# Allegro board BeagleBone_AI-64_Rev_B1_PCB_220602.brd (continued)
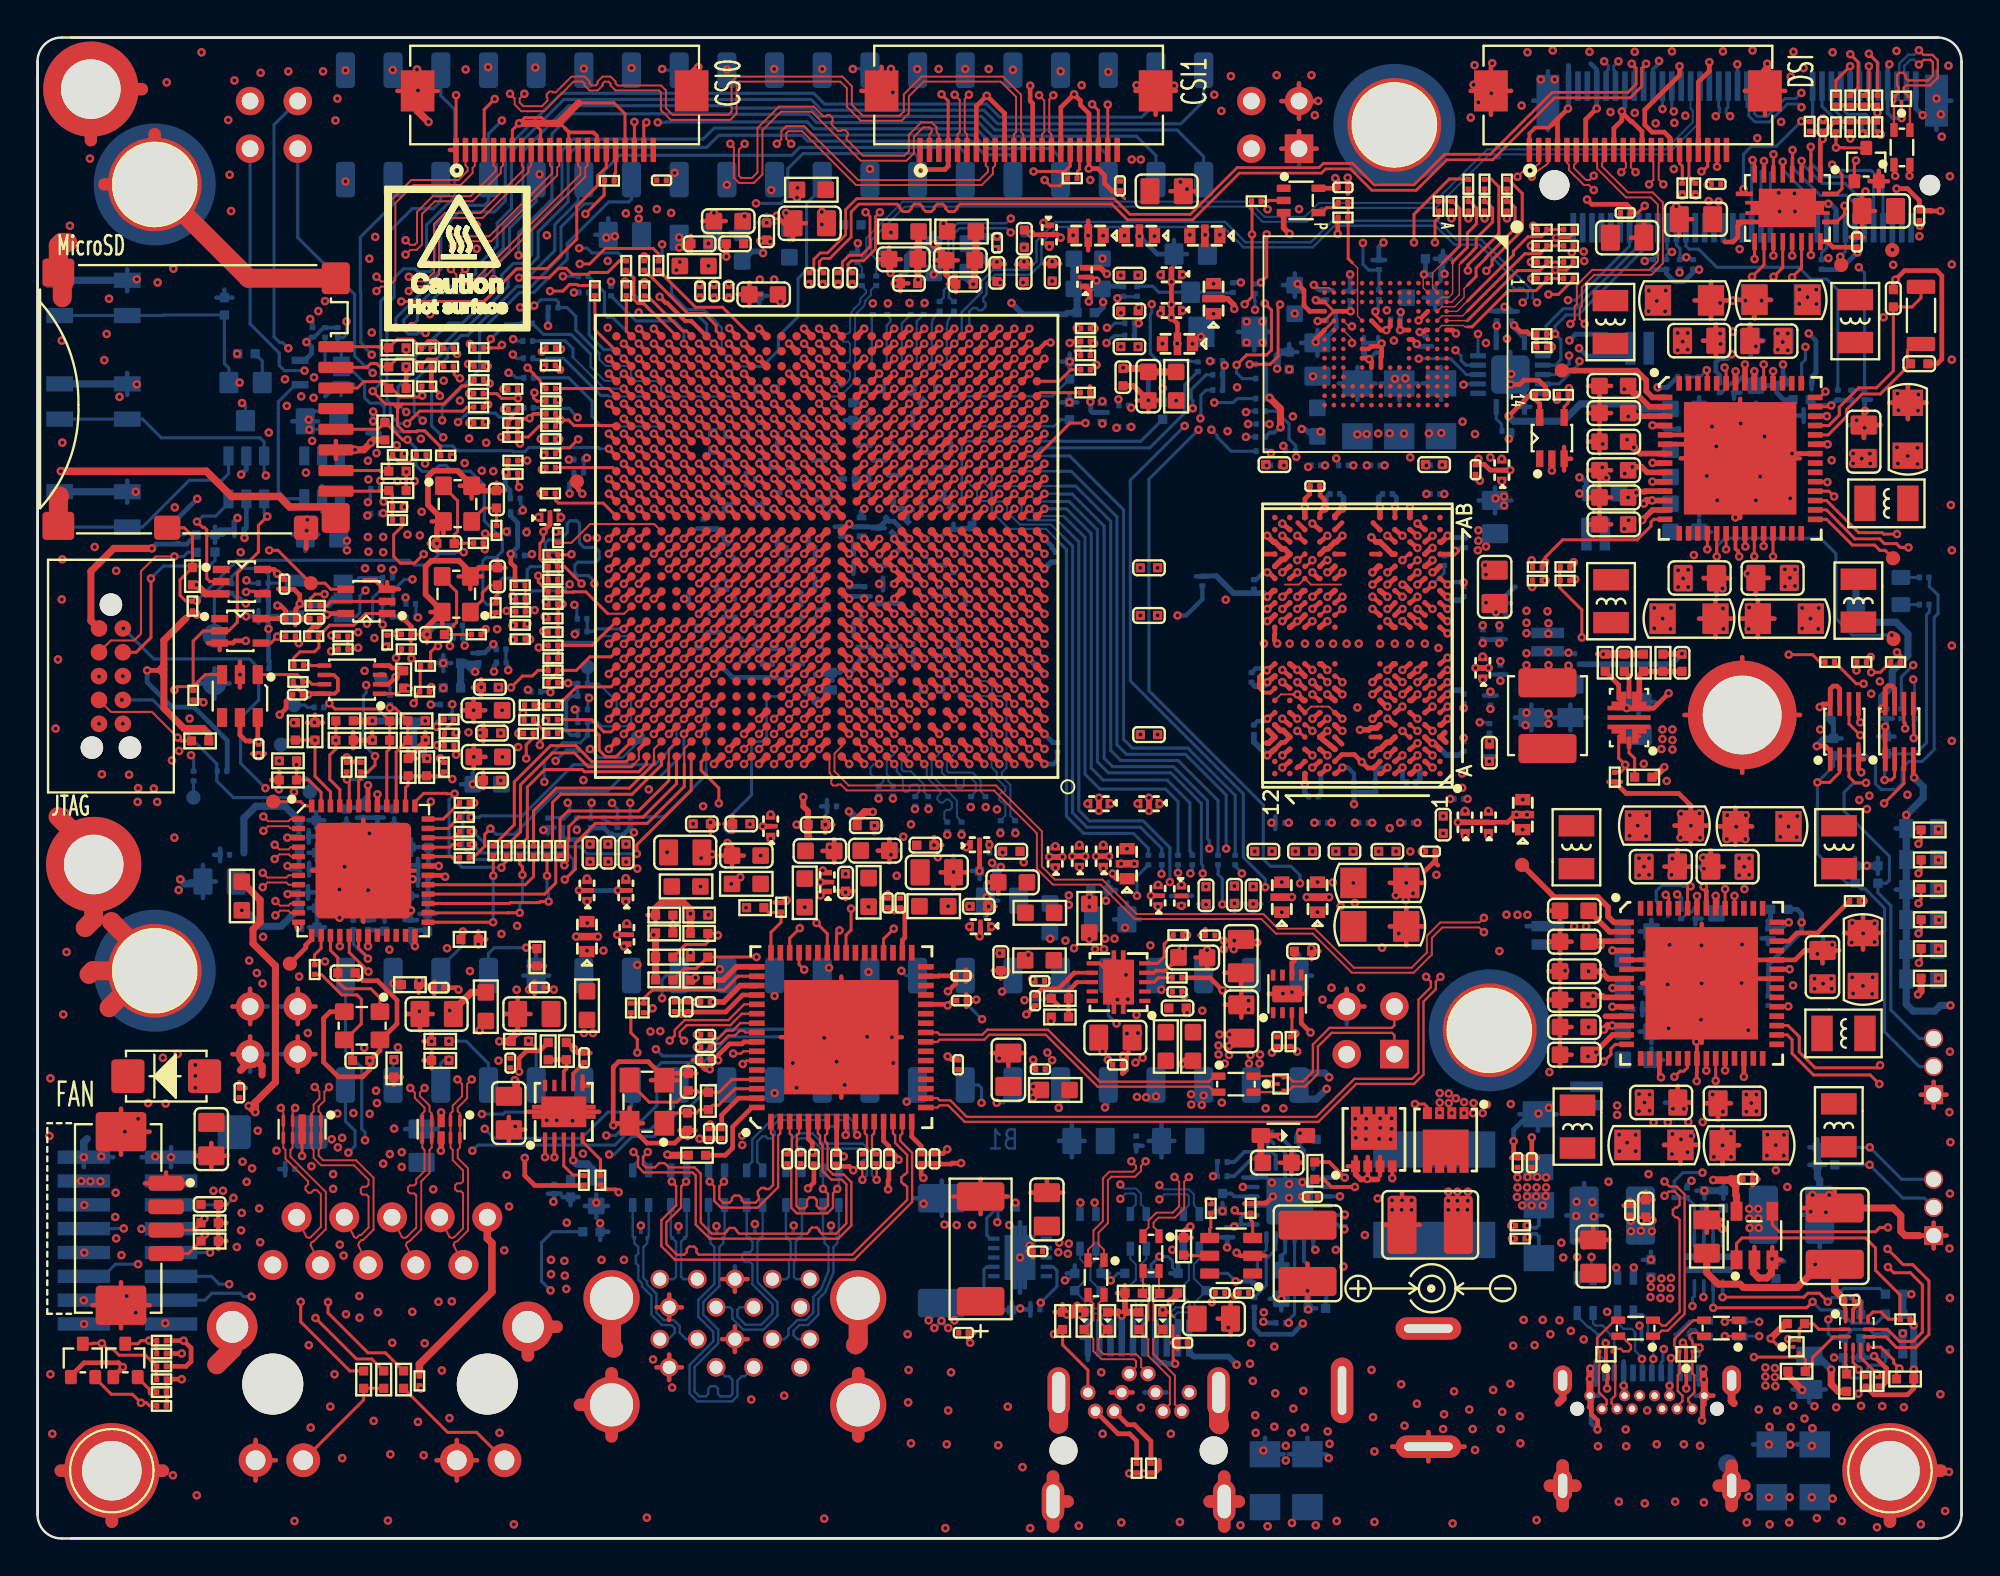
[diagram p0: board, top side]
## Routing (per net, layer and track width the routed paths; a pad name or vN(x,y) marks a point on that pad's centre or on a via; arc(x,y) is an arc through that point) (continued)
  BOTTOM w0.165: 26.13,45.13 v1(26.13,45.24)
H_MCU_PORZ: length 187.2
  TOP w0.165: v1(25.3,48.67) 25.3,48.66 25.33,48.7 25.44,48.7 ; 80.18,51.06 v1(80.34,51.06) ; U12.4 11.67,50.35 11.53,50.49 11.15,50.49 v1(11.11,50.45) ; U30.25 v1(92.45,52.34)
  L5-SIGNAL w0.102: v1(25.3,48.67) 25,48.96 24.94,48.96 24.62,49.28 24.62,49.3 24.34,49.58 16.62,49.58 16.33,49.88 14.83,49.88 14.26,50.45 v1(11.11,50.45) ; v1(92.45,52.34) 92.45,49.33 95.74,46.04 95.76,46.04 95.88,45.91 95.88,36.9 95.21,36.22 95.21,32.59 94.08,31.46 93.57,31.46 92.66,30.55 92.66,23.33 90.88,21.56 90.88,19.55 88.66,17.33 84.64,17.33 83.53,16.22 80.8,16.22 80.54,15.97 80.54,15.46 80.01,14.93 79.5,14.93 78.94,14.37 71.12,14.37 70.1,15.38 v1(69.16,15.38)
  L10-SIGNAL w0.102: v1(80.34,51.06) 80.71,50.69 85.19,50.69 86.56,52.06 88.07,52.06 88.16,51.97 92.09,51.97 v1(92.45,52.34) ; v1(11.11,50.45) 10.6,50.45 9.85,49.7 9.85,33.93 11.25,32.53 11.25,31.94 12.47,30.73 12.47,25.04 12.01,24.58 12.01,22.01 v1(11.73,21.73)
  L12-SIGNAL w0.102: v1(11.73,21.73) 12.11,22.11 17.83,22.11 19.07,23.36 24.64,23.36 24.84,23.16 35.63,23.16 36.58,22.21 36.58,21.31 37.55,20.34 39.88,20.34 40.75,21.21 42.33,21.21 42.52,21.02 45.97,21.02 46.73,20.26 46.73,17.7 48.18,16.25 55.57,16.25 55.95,15.87 60.83,15.87 61.87,14.82 68.6,14.82 v1(69.16,15.38)
H_PMIC_WAKE: length 15.3
  TOP w0.165: U30.47 91.95,62.57 v1(91.96,62.58) ; R337.2 81.55,60.96 81.56,60.95 ; U27.4 81.32,60.31 81.53,60.52 81.53,60.56 81.56,60.59 81.56,60.95 ; 81.56,60.95 81.56,61.29 v1(81.58,61.31)
  L10-SIGNAL w0.102: v1(81.58,61.31) 83.01,61.31 83.56,60.75 88.87,60.75 89.38,61.26 89.38,62.68 89.56,62.86 89.96,62.86 90.09,62.73 90.47,62.73 90.73,62.98 91.55,62.98 v1(91.96,62.58)
H_SOC_PORZ: length 110.4
  TOP w0.165: v1(88.92,62.27) 88.92,62.17 88.95,62.14 U30.53 ; 25.44,47.93 25.33,47.93 v1(25.3,47.9)
  L3-SIGNAL w0.102: v1(88.92,62.27) 88.92,61.54 90.35,60.11 90.35,54.84 90.08,54.58 90.08,53.5 90.35,53.23 90.35,52.56 88.87,51.08 88.87,47.16 87.63,45.91 87.63,44.75 86,43.12 86,41.16 v1(86.79,40.38)
  L5-SIGNAL w0.102: v1(74.52,35.37) 74.29,35.6 64.59,35.6 64.31,35.88 59.69,35.88 58.43,34.62 58.42,34.62 57.47,33.67 57.13,33.67 56.75,33.29 53.69,33.29 52.37,34.61 48.05,34.61 46.45,33.01 45.13,33.01 44.93,33.21 43.5,33.21 43.49,33.2 40.63,33.2 40.23,32.81 34.59,32.81 33.91,33.49 28.29,33.49 27.46,32.66 v1(25.55,32.66)
  L8-PWR/GND w0.127: v1(25.55,32.66) 25.13,33.08 25.13,35.54 25.39,35.8 25.39,39.24 25.17,39.46 25.17,43.91 25.65,44.39 25.84,44.39 26.52,45.07 26.52,45.89 25.7,46.7 25.7,47.49 v1(25.3,47.9)
  L10-SIGNAL w0.102: v1(74.52,35.37) 77.82,35.37 82.83,40.38 v1(86.79,40.38)
  BOTTOM w0.165: v1(88.92,62.27) 88.62,61.97 88.42,61.97 88.36,61.91 R20.2
HB_LM5141: length 1.8
  BOTTOM w0.203: C92.1 67.19,20.97 67.46,20.69 U3.11
  BOTTOM w0.381: C92.1 67.19,21.54 v1(67.26,21.61)
HO_LM5141: length 2.9
  TOP w0.203: R318.1 68.81,20.06 v1(69.64,19.24)
  BOTTOM w0.203: U3.13 v1(69.64,19.24)
HOL_LM5141: length 13.3
  TOP w0.165: Q3.4 74.04,22.99 73.88,23.16 v1(73.38,23.16)
  TOP w0.203: R318.2 68.52,19.14 68.93,18.74 69.73,18.74 v1(70.18,18.74)
  L10-SIGNAL w0.102: v1(73.38,23.16) 73.1,23.43 70.33,23.43 69.52,22.62 69.52,19.96 70.18,19.3 v1(70.18,18.74)
  BOTTOM w0.203: v1(70.18,18.74) 69.73,18.74 69.73,18.74 U3.14
ILIM_V3V3_DP0: length 1.4
  TOP w0.165: U22.5 61.55,15.07 61.52,15.1 R312.1
ILM: length 1.8
  BOTTOM w0.165: U1.10 88.77,17.14 88.8,17.17 R16.1
J27_MCU_BOOTMODE07: length 6.4
  TOP w0.229: v1(32.03,47.68) 32.43,48.08 U19.J27
  BOTTOM w0.114: v1(32.03,47.68) 31.84,47.88 31.78,47.88 31.57,48.09 30.02,48.09
  BOTTOM w0.165: 30.02,48.09 29.7,47.77 27.96,47.77 27.73,48 27.73,48.35 ; R125.1 27.71,49.04 ; 27.71,49.04 27.73,49.03 27.73,48.35 ; 27.71,49.04 27.71,49.06 ; 27.73,48.35 27.72,48.35 R124.2
J28_WKUP_UART0_TXD: length 133.7
  TOP w0.165: U33.5 97,43.6 v1(97.1,43.5)
  TOP w0.229: U19.J28 31.63,48.08 v1(31.23,47.68)
  L5-SIGNAL w0.102: v1(97.1,43.5) 97.48,43.12 97.48,42.08 98.77,40.8 98.77,39.02 98.47,38.73 98.47,28.9 93.83,24.25 93.83,17.35 92.12,15.64 88.9,15.64 87.83,14.57 87.83,12.67 87.27,12.11 85.27,12.11 84.68,12.69 80.24,12.69 79.2,11.65 v1(79.17,11.65)
  L10-SIGNAL w0.102: v1(31.23,47.68) 29.97,46.42 29.97,34.54 30.52,33.99 30.52,27.12 29.06,25.66 v1(29.06,20.51)
  L12-SIGNAL w0.102: v1(79.17,11.65) 78.97,11.45 78.1,11.45 76.12,13.43 68.5,13.43 67.89,12.82 67.05,12.82 66.67,13.2 65.5,13.2 64.59,12.28 63.5,12.28 62.58,13.2 58.14,13.2 57.78,12.84 54.25,12.84 53.61,12.2 53.29,12.2 52.67,12.82 51.52,12.82 49.66,14.67 47.22,14.67 44.26,17.63 43.39,17.63 42.9,18.13 40.49,18.13 39.93,18.69 36.75,18.69 36.72,18.65 33.1,18.65 31.72,20.03 29.54,20.03 v1(29.06,20.51)
J29_WKUP_UART0_RXD: length 139.5
  TOP w0.165: U33.6 96.5,43.42 v1(97.1,42.82)
  TOP w0.229: v1(30.43,47.68) 30.44,47.68 U19.J29
  L5-SIGNAL w0.102: v1(97.1,42.82) 97.1,41.52 98.02,40.61 98.02,39.36 97.99,39.34 97.99,39.03 98.25,38.78 98.25,29 93.6,24.35 93.6,17.44 92.02,15.87 88.74,15.87 87.58,14.7 87.58,12.74 87.17,12.34 85.47,12.34 84.88,12.92 79.53,12.92 78.61,12.01 v1(78.61,10.28)
  L10-SIGNAL w0.102: v1(28.19,16.83) 28.19,17.63 27.96,17.86 27.96,21.4 28.06,21.51 28.06,34.43 28.9,35.27 28.9,37.01 29.15,37.26 29.15,39.37 29.54,39.76 29.54,41.47 29.08,41.93 29.08,42.23 29.77,42.92 29.77,47.01 v1(30.43,47.68)
  L12-SIGNAL w0.102: v1(78.61,10.28) 77.91,10.28 75.77,12.41 70.15,12.41 67.28,9.54 65.28,9.54 64.79,10.02 64.53,10.02 64.42,10.13 60.96,10.13 60.94,10.14 56.45,10.14 56.23,9.92 51.99,9.92 50.37,11.55 50.37,11.99 49.08,13.28 46.67,13.28 43.86,16.08 39.6,16.08 38.5,17.19 28.55,17.19 v1(28.19,16.83)
K24_AIN4/AC28_GPIO0_50: length 50.1
  L5-SIGNAL w0.102: v1(19.2,26.18) 19.51,25.87 21.75,25.87 21.77,25.89 25.51,25.89 v1(26.16,26.53)
  L8-PWR/GND w0.127: v1(19.6,50.15) 21.71,52.26 21.71,58.24 22.07,58.59 22.07,59.17 v1(22.4,59.5)
  L10-SIGNAL w0.102: v1(19.6,50.15) 19.05,49.6 19.05,48.95 19.58,48.42 19.58,47.15 19.52,47.08 19.52,45.6 19.38,45.46 19.38,45.15 19.52,45.01 19.52,43.59 19.3,43.37 19.3,31.11 18.46,30.27 18.46,29.33 19.07,28.72 19.07,26.31 v1(19.2,26.18)
  BOTTOM w0.165: v1(19.6,50.15) 19.6,49.81 R145.2 ; v1(22.4,59.5) 22.76,59.87 22.81,59.87 22.93,59.99 24.38,59.99 24.6,59.77 25.03,59.77 25.53,60.27 R129.2 ; P9.33 26.56,26.13 v1(26.16,26.53)
K25_AIN0/AJ28_GPIO0_54: length 65.8
  TOP w0.165: 18.63,47.61 v1(18.52,47.51) ; R281.2 31.37,66.92 v1(31.29,67)
  L10-SIGNAL w0.102: v1(19,25.47) 18.24,26.24 18.24,31.97 18.84,32.58 18.84,43.48 18.24,44.09 18.24,47.22 v1(18.52,47.51)
  L12-SIGNAL w0.102: v1(31.29,67) 31.01,66.72 30.8,66.72 30.71,66.63 28.88,66.63 28.64,66.87 26.17,66.87 25.79,66.49 23.66,66.49 23.48,66.31 20.88,66.31 20.12,65.55 19.4,65.55 19.12,65.27 15.57,65.27 14.83,64.53 13.56,64.53 12.49,63.47 12.49,59.91 12.88,59.53 12.88,52.09 14.53,50.44 14.53,48 14.63,47.9 15.38,47.9 15.5,47.77 15.81,47.77 15.94,47.9 17.27,47.9 17.66,47.51 v1(18.52,47.51)
  BOTTOM w0.165: v1(19,25.47) 19,25.47 18.94,25.41 P9.39
K26_AIN1/AA26_GPIO0_81: length 41
  TOP w0.165: v1(18.97,29.58) 19.04,29.52 D30.2 ; 27.06,57.84 v1(26.95,57.73)
  L5-SIGNAL w0.102: v1(26.95,57.73) 26.33,57.73 26.23,57.82 23.88,57.82 23.71,57.99 20.66,57.99 19.89,57.22 19.43,57.22 19.17,56.96 v1(19.17,56.36)
  L10-SIGNAL w0.102: v1(19.17,56.36) 20.08,55.46 20.08,54.49 20.88,53.69 20.88,52.7 20.95,52.63 20.95,52.1 v1(19.97,51.12) 19.97,50.32 20.67,49.62 20.67,48.91 20.47,48.71 20.47,48.43 20.37,48.33 20.37,48.02 20.47,47.92 20.47,44.21 19.53,43.27 19.53,31.16 19.61,31.09 19.61,30.22 v1(18.97,29.58)
  BOTTOM w0.165: R148.2 18.92,49.81 18.92,50.5 19.55,51.12 v1(19.97,51.12) ; P9.40 18.94,29.61 v1(18.97,29.58)
K27_AIN5/AH29_GPIO0_56: length 71.2
  TOP w0.165: v1(27.3,66.49) 27.99,66.49 28.34,66.84 28.75,66.84 28.81,66.78 29.69,66.78 R278.2 ; R177.2 15.71,48.09 v1(15.66,48.14) ; D35.2 26.55,31.49 v1(26.03,31.49)
  L5-SIGNAL w0.102: v1(15.31,30.75) 15.31,30.34 16.03,29.63 17.7,29.63 18.08,30.01 18.08,31.69 18.82,32.43 22.02,32.43 23.15,31.3 23.63,31.3 23.82,31.49 v1(26.03,31.49)
  L10-SIGNAL w0.102: v1(15.31,30.75) 15.31,30.83 15.16,30.98 15.16,43.98 14.81,44.34 14.81,46.07 15.26,46.52 15.26,47.74 15.38,47.85 15.38,47.86 v1(15.66,48.14)
  L12-SIGNAL w0.102: v1(15.66,48.14) 14.76,49.04 14.76,50.53 13.1,52.18 13.1,59.62 12.72,60 12.72,63.37 13.66,64.3 16.46,64.3 17.19,65.04 19.23,65.04 19.41,65.22 20.22,65.22 20.78,65.78 23.27,65.78 23.73,66.23 25.85,66.23 26.11,66.49 v1(27.3,66.49)
  BOTTOM w0.165: v1(26.03,31.49) 24.33,31.49 24.02,31.18 P9.36
K28_AIN2/AG28_GPIO0_57: length 50
  L5-SIGNAL w0.102: v1(21.92,25.52) 24.51,25.52 v1(24.56,25.47)
  L8-PWR/GND w0.127: v1(28.6,49.76) 28.23,49.39 28.23,46.56 28.66,46.14 28.66,44.83 28.06,44.24 28.06,43.96 27.15,43.05 27.15,42.13 27.13,42.1 27.13,41.39 26.49,40.76 26.49,32.68 24.99,31.18 24.99,25.9 v1(24.56,25.47)
  L10-SIGNAL w0.102: v1(28.57,66.41) 29.26,65.73 29.26,58.41 28.83,57.98 28.83,56.96 29.38,56.41 29.38,54.45 27.96,53.03 27.96,50.4 v1(28.6,49.76)
  BOTTOM w0.165: v1(28.6,49.76) 28.6,49.8 28.73,49.67 28.73,49.02 R117.2 ; v1(21.92,25.52) 21.68,25.52 21.48,25.32 P9.37 ; R108.2 v1(28.57,66.41)
K29_AIN6/AH27_GPIO0_55: length 92.7
  TOP w0.165: R265.2 26.88,47.6 26.77,47.49 v1(26.7,47.49)
  L3-SIGNAL w0.102: v1(17.45,51.71) 17.45,51.31 17.1,50.96 17.1,49.86 17.42,49.55 21.73,49.55 23.29,47.99 24.08,47.99 24.13,48.04 24.55,48.04 25.09,47.49 v1(26.7,47.49)
  L5-SIGNAL w0.102: v1(17.45,51.71) 16.9,52.26 11.12,52.26 v1(10.82,52.57) ; v1(21.92,26.51) 21.51,26.51 20.7,27.32 12.95,27.32 12.42,27.86 12.42,29.15 v1(11.99,29.58)
  L10-SIGNAL w0.102: v1(11.99,29.58) 11.55,29.58 10.77,30.37 10.77,32.35 9.4,33.72 9.4,50.28 9.52,50.41 9.52,50.44 9.55,50.44 10.82,51.71 v1(10.82,52.57) 10.23,53.15 10.23,55.36 11.45,56.58 11.45,63.44 13.43,65.42 v1(14.96,65.42)
  L12-SIGNAL w0.102: v1(14.96,65.42) 15.35,65.42 15.45,65.52 18.11,65.52 18.84,66.26 18.84,67.03 19.47,67.66 20.1,67.66 20.34,67.42 20.34,67.41 21.21,66.54 23.38,66.54 23.56,66.72 25.69,66.72 26.25,67.28 v1(27.99,67.28)
  BOTTOM w0.165: P9.35 24.02,25.32 22.83,26.51 v1(21.92,26.51) ; R109.2 v1(27.99,67.28)
L28_AIN3/AG27_GPIO0_58: length 40.3
  TOP w0.165: D33.2 22.55,32.25 v1(22.65,32.35) ; v1(26.87,63.26) 27.06,63.45 R257.2 ; v1(26.68,51.31) 26.68,50.98 27.18,50.48 27.18,50.46 R266.2
  L8-PWR/GND w0.127: v1(26.68,51.31) 25.36,51.31 24.6,50.55 24.6,48.91 24.89,48.62 24.89,47.02 25.61,46.29 25.61,45.19 25.09,44.67 24.7,44.67 24.29,44.25 24.29,39.66 24.42,39.52 24.42,39.2 23.66,38.44 23.66,36.76 23.01,36.11 23.01,32.71 v1(22.65,32.35)
  L10-SIGNAL w0.102: v1(26.87,63.26) 26.57,62.96 26.57,62.09 26.85,61.81 26.85,59.08 27.18,58.75 27.18,58.02 27.32,57.88 27.32,57.57 27.18,57.43 27.18,57.18 27.24,57.12 27.24,56.81 27.18,56.75 27.18,54.22 27,54.04 26.64,54.04 26.49,53.89 26.49,52.84 26.71,52.62 26.71,52.32 26.68,52.29 v1(26.68,51.31)
  BOTTOM w0.165: P9.38 21.48,30.44 22.65,31.62 v1(22.65,32.35)
LEOA_GPIO9: length 15.7
  TOP w0.165: U30.19 v1(89.45,52.34) ; v1(98.78,48.15) 98.87,48.06 TP13.1
  BOTTOM w0.165: v1(89.45,52.34) 89.45,52.87 89.9,53.32 94.98,53.32 95.81,52.49 95.81,49.04 96.7,48.15 v1(98.78,48.15)
LEOA_OSC32KCAP: length 1.4
  TOP w0.165: U30.40 v1(95.32,59.82)
  BOTTOM w0.165: C7.1 94.62,59.85
  BOTTOM w0.254: v1(95.32,59.82) 95.3,59.85 94.62,59.85
LEOA_OSC32KIN: length 8.5
  TOP w0.165: U30.38 95.39,58.82 96.37,59.8 96.37,60.17 97.2,61 98.17,61 C529.2 99.62,62.78 99.62,63.31 99.97,63.67 X5.2
LEOA_OSC32KOUT: length 11.3
  TOP w0.165: U30.39 95.43,59.32 95.98,59.88 95.98,60.3 97.02,61.33 97.97,61.33 98.86,62.23 C527.2 99.85,65.64 100.34,66.12 X5.1
LEOA_SCLK: length 34.7
  TOP w0.165: U29.23 v1(89.4,24.4) ; U30.23 v1(91.45,52.35)
  L5-SIGNAL w0.102: v1(89.4,24.4) 89.4,26.73 92.2,29.53 92.2,30.74 93.38,31.92 93.75,31.92 94.6,32.77 94.6,36.33 95.43,37.15 95.43,45.71 91.95,49.19 91.95,50.28 91.92,50.31 91.92,51.88 v1(91.45,52.35)
LEOA_SDATA: length 33.5
  TOP w0.165: U30.24 v1(91.95,52.89) ; U29.24 v1(89.9,24.95)
  L5-SIGNAL w0.102: v1(91.95,52.89) 91.95,52.31 92.17,52.09 92.17,49.29 95.65,45.81 95.65,37 94.91,36.25 94.91,32.67 93.93,31.69 93.48,31.69 92.44,30.65 92.43,30.65 92.43,29.43 89.9,26.9 v1(89.9,24.95)
LEOA_WDOG_DISABLE: length 3.4
  TOP w0.165: v1(95.55,60.39) 95.48,60.32 U30.41
  BOTTOM w0.165: R3.2 96.62,60.67 ; 95.83,60.67 95.86,60.7 R4.2
  BOTTOM w0.254: R6.2 94.75,60.39 v1(95.55,60.39) 95.83,60.67 96.62,60.67
LEOB_ENABLE: length 31.1
  TOP w0.165: R338.2 81.1,51.78 81.1,51.07 ; v1(82.27,48.02) 82.27,49.5 81.1,50.67 81.1,51.07 ; 81.1,51.07 81.1,51.06 R339.2 ; U29.20 87.9,25.11 87.7,24.91 87.5,24.91 v1(87.2,24.6)
  L5-SIGNAL w0.102: v1(82.27,48.02) 82.27,35.25 85.44,32.07 85.44,26.36 v1(87.2,24.6)
LM5141_PG: length 99.9
  TOP w0.165: R176.1 14.53,50.09 14.77,50.33 v1(15.29,50.33)
  L5-SIGNAL w0.102: v1(66.65,11.49) 63.78,14.37 51.88,14.37 50.21,16.04 26.77,16.04 23.95,13.22 17.45,13.22 v1(17.14,12.92)
  L10-SIGNAL w0.102: v1(17.14,12.92) 17.75,12.92 18.58,13.74 18.58,15.58 17.79,16.36 17.79,17.81 17.96,17.97 17.96,21.48 17.23,22.2 17.23,24.03 15.71,25.55 15.71,29.74 14.91,30.55 14.91,35.88 14.29,36.5 14.29,40.89 14.39,40.99 14.39,41.49 14.37,41.5 14.37,43.91 13.84,44.44 13.84,45.48 15.03,46.68 15.03,49.69 15.29,49.94 v1(15.29,50.33)
  BOTTOM w0.165: v1(66.65,11.49) 66.51,11.49 66.51,11.51 66.96,11.96 U3.21
LM5141_PG_R: length 3.7
  TOP w0.165: R176.2 15.41,49.72 15.64,49.95 U16.2
LO_LM5141: length 3.4
  BOTTOM w0.165: R60.1 63.39,20.06
  BOTTOM w0.203: U3.8 65.96,20.41 65.76,20.61 64.3,20.61 63.75,20.06 63.39,20.06
LOL_LM5141: length 2.7
  BOTTOM w0.165: R61.1 63.39,19.31
  BOTTOM w0.203: U3.7 65.46,20.1 65.32,20.24 64.68,20.24 63.75,19.31 63.39,19.31
LPDDR4_CA0: length 34.1
  TOP w0.251: U25.R2 73.92,49.87 v1(74.31,49.55) ; v1(74.31,45.64) 74.31,45.64 73.92,45.32 U25.H2 ; v1(51.24,46.08) 51.24,46.08 U19.G4
  L3-SIGNAL w0.076: v1(74.31,45.64) 73.91,46.05 73.91,46.29 74.21,46.59 74.21,47.39 v1(73.91,47.69) 74.43,48.22 74.43,48.48 73.92,48.99 73.92,49.19 74.02,49.29 74.06,49.29 v1(74.31,49.54)
  L12-SIGNAL w0.173: v1(51.24,46.08) 51.64,45.68 54.01,45.68 54.49,45.21 54.49,44.52 55.55,43.46 64.04,43.46 64.75,44.17 69.7,44.17 70.08,43.79 70.49,43.79 70.84,44.14 70.84,44.52 70.59,44.78 70.59,45.77 71.71,46.89 73.1,46.89 v1(73.91,47.69)
LPDDR4_CA1: length 34
  TOP w0.251: U19.H3 v1(52.04,46.88) ; U25.J2 v1(73.51,45.64) ; U25.P2 v1(73.51,49.54)
  L3-SIGNAL w0.076: v1(73.51,49.54) 73.15,49.19 73.15,48.84 72.63,48.32 72.63,48.09 72.78,47.95 72.87,47.95 v1(73.12,47.69) 72.81,47.38 72.81,46.78 73.12,46.47 73.12,46.04 v1(73.51,45.64)
  L12-SIGNAL w0.173: v1(73.12,47.69) 73.47,48.05 73.47,48.34 73.38,48.44 71.38,48.44 71.01,48.06 71.01,46.9 70.06,45.95 70.06,44.85 69.78,44.58 65.34,44.58 65.32,44.6 64.52,44.6 63.88,43.97 55.74,43.97 55.07,44.64 55.07,46.07 54.82,46.33 53.96,46.33 53.81,46.48 52.44,46.48 v1(52.04,46.88)
LPDDR4_CA2: length 34.1
  TOP w0.251: U25.H9 68.24,45.32 v1(67.91,45.64) ; v1(67.91,49.54) 67.92,49.56 68.31,49.88 U25.R9 ; v1(50.44,48.48) 50.44,48.48 U19.K5
  L3-SIGNAL w0.076: v1(67.91,45.64) 68.31,46.04 68.31,46.57 68.61,46.88 68.61,47.39 v1(68.31,47.69) 68.77,48.16 68.77,48.4 68.66,48.51 68.53,48.51 68.33,48.71 68.33,49.13 v1(67.91,49.54)
  L12-SIGNAL w0.173: v1(50.44,48.48) 50.84,48.88 50.84,49.5 51.02,49.68 52.21,49.68 52.44,49.92 52.44,50.25 52.67,50.48 54.04,50.48 54.76,51.2 59.78,51.2 60.13,51.55 60.13,51.83 60.77,52.47 63.15,52.47 64.57,51.05 65.49,51.05 65.52,51.03 69.93,51.03 70.4,50.55 70.4,48.65 69.85,48.11 68.72,48.11 v1(68.31,47.69)
LPDDR4_CA3: length 34.1
  TOP w0.251: U19.J4 50.84,48.08 51.24,47.68 v1(51.24,47.68) ; U25.H10 67.11,45.64 v1(67.11,45.64) ; U25.R10 v1(67.11,49.54)
  L3-SIGNAL w0.076: v1(67.11,49.54) 67.56,49.1 67.56,48.75 68.01,48.3 68.01,48.09 67.86,47.95 67.77,47.95 v1(67.52,47.69) 67.83,47.39 67.83,46.82 67.52,46.51 67.52,46.05 v1(67.11,45.64)
  L12-SIGNAL w0.173: v1(67.52,47.69) 67.52,48.19 67.82,48.48 69.62,48.48 70.05,48.91 70.05,50.3 69.74,50.61 65.34,50.61 65,50.26 63.78,50.26 63.32,50.72 63.32,51.51 63.07,51.76 61.13,51.76 60.87,51.51 60.87,50.83 60.71,50.67 55.09,50.67 54.09,49.68 53.81,49.68 53.81,49.68 53.42,49.68 53.24,49.5 53.24,49.12 53.01,48.88 51.86,48.88 51.64,48.66 51.64,48.08 v1(51.24,47.68)
LPDDR4_CA4: length 34.1
  TOP w0.251: U19.K2 v1(52.84,48.48) ; U25.H11 v1(66.31,45.64) ; U25.R11 v1(66.31,49.54)
  L3-SIGNAL w0.076: v1(66.31,49.54) 66.73,49.13 66.73,48.76 67.16,48.32 67.16,48.01 67.1,47.95 66.96,47.95 v1(66.71,47.69) 67.02,47.38 67.02,46.77 66.71,46.45 66.71,46.04 v1(66.31,45.64)
  L12-SIGNAL w0.173: v1(52.84,48.48) 53.06,48.48 53.45,48.87 53.46,48.87 53.47,48.88 54.8,48.88 54.99,49.07 54.99,49.71 55.12,49.83 55.5,49.83 55.66,49.67 55.66,48.8 55.82,48.64 56.05,48.64 56.21,48.8 56.21,49.67 56.37,49.83 56.59,49.83 56.75,49.67 56.75,48.8 56.91,48.64 57.14,48.64 57.3,48.8 57.3,50 57.46,50.16 57.94,50.16 58.09,50.01 58.09,48.79 58.24,48.64 59.01,48.64 59.21,48.84 59.21,49.93 59.41,50.14 60,50.14 60.2,49.93 60.2,48.89 60.45,48.64 61.34,48.64 61.55,48.84 61.55,50.14 61.75,50.34 62.44,50.34 62.64,50.14 62.64,49.76 62.87,49.53 63.79,49.53 63.95,49.68 64.57,49.68 64.9,49.35 64.9,48.46 65.1,48.26 66.42,48.26 66.64,48.48 66.97,48.48 67.1,48.35 67.1,48.09 v1(66.71,47.69)
LPDDR4_CA5: length 34.1
  TOP w0.251: U19.H5 v1(50.44,46.88) ; U25.P11 v1(66.31,48.89) ; U25.J11 v1(66.31,46.29)
  L3-SIGNAL w0.076: v1(66.31,48.89) 66.56,48.64 66.56,48.31 66.37,48.12 66.03,48.12 65.91,48.23 65.51,48.23 65.34,48.06 v1(65.34,47.7) 65.34,47.35 65.49,47.19 66.35,47.19 66.5,47.04 66.5,46.84 66.31,46.65 v1(66.31,46.29)
  L12-SIGNAL w0.173: v1(50.44,46.88) 50.84,47.28 52.24,47.28 52.44,47.48 52.44,47.89 52.63,48.08 53.81,48.08 53.82,48.09 56.3,48.09 56.52,47.88 56.52,47.27 56.72,47.06 57.03,47.06 57.23,47.27 57.23,47.85 57.43,48.05 57.81,48.05 58.01,47.85 58.01,47.2 58.17,47.04 58.39,47.04 58.55,47.2 58.55,47.82 58.71,47.98 58.94,47.98 59.1,47.82 59.1,47.2 59.26,47.04 59.49,47.04 59.65,47.2 59.65,48.07 59.81,48.23 60.03,48.23 60.19,48.07 60.19,47.2 60.35,47.04 60.58,47.04 60.74,47.2 60.74,47.82 60.9,47.98 61.13,47.98 61.29,47.82 61.29,47.35 61.45,47.19 61.67,47.19 61.83,47.35 61.83,47.82 61.99,47.98 62.41,47.98 62.57,47.82 62.57,47.15 62.73,46.99 62.99,46.99 63.2,47.19 63.2,48.86 63.36,49.02 63.74,49.02 63.91,48.85 63.91,47.65 64.14,47.42 64.49,47.42 64.77,47.7 v1(65.34,47.7)
LPDDR4_CK_C: length 34.1
  TOP w0.165: U19.J1 53.37,47.95 53.37,47.95 v1(53.64,47.68) ; U25.J9 68.39,45.97 v1(68.71,45.64) ; U25.P9 v1(68.71,49.54)
  L3-SIGNAL w0.076: v1(68.71,45.64) 69.74,46.67 v1(69.74,47.69) 69.78,47.74 69.78,48.75 69.43,49.11 69.15,49.11 v1(68.71,49.54)
  L12-SIGNAL w0.163: v1(69.74,47.69) 69.81,47.69 69.99,47.51 69.99,47.2 69.81,47.01 64.95,47.01 64.77,46.84 63.99,46.84 63.27,46.12 63.27,45.36 63.11,45.2 62.6,45.2 62.41,45.38 62.41,46.02 62.03,46.4 61.48,46.4 61.14,46.06 61.14,45.06 60.96,44.88 60.59,44.88 60.43,45.04 60.43,45.99 60.06,46.35 59.42,46.35 59.06,45.99 59.06,44.98 58.8,44.73 58.38,44.73 58.14,44.97 58.14,46.04 57.8,46.38 57.11,46.38 56.77,46.04 56.77,45 56.61,44.83 56.25,44.83 56.06,45.02 56.06,46.43 55.3,47.19 53.97,47.19 53.86,47.29 53.77,47.29 53.61,47.46 53.61,47.65 v1(53.64,47.68)
LPDDR4_CK_T: length 34.1
  TOP w0.165: v1(69.51,45.64) 69.19,45.97 U25.J8 ; U25.P8 v1(69.51,49.54) ; U19.H1 53.64,46.88 v1(53.64,46.88)
  L3-SIGNAL w0.076: v1(69.51,49.54) 69.84,49.54 70.46,48.92 70.46,47.77 v1(70.39,47.69) 70.46,47.62 70.46,46.59 v1(69.51,45.64)
  L12-SIGNAL w0.163: v1(70.39,47.69) 70.3,47.61 70.3,47.07 69.93,46.71 65.08,46.71 64.9,46.53 64.11,46.53 63.58,46 63.58,45.23 63.24,44.89 62.47,44.89 62.11,45.26 62.11,45.9 61.9,46.1 61.61,46.1 61.44,45.94 61.44,44.93 61.09,44.57 60.46,44.57 60.12,44.92 60.12,45.86 59.94,46.05 59.55,46.05 59.36,45.86 59.36,44.85 58.93,44.42 58.26,44.42 57.84,44.84 57.84,45.91 57.68,46.07 57.24,46.07 57.08,45.91 57.08,44.87 56.74,44.53 56.12,44.53 55.76,44.9 55.76,46.3 55.18,46.88 v1(53.64,46.88)
LPDDR4_CKE0: length 34.1
  TOP w0.264: U19.G3 52.04,46.08 v1(52.04,46.08) ; U25.J4 v1(72.71,45.64) ; U25.P4 72.49,49.4 72.51,49.4 72.65,49.54 v1(72.71,49.54)
  L3-SIGNAL w0.076: v1(72.71,45.64) 72.31,46.05 72.31,46.59 72.01,46.88 72.01,47.4 v1(72.31,47.69) 72.06,47.95 71.94,47.95 71.84,48.05 71.84,48.32 72.32,48.8 72.32,49.15 v1(72.71,49.54)
  L10-SIGNAL w0.159: v1(72.31,47.69) 72.31,47.1 72.15,46.94 71.49,46.94 71.33,46.78 71.33,46.55 71.2,46.42 70.95,46.42 70.83,46.54 70.83,47.13 70.72,47.24 70.16,47.24 69.1,47.24 65.18,47.24 63.4,45.46 59.57,45.46 59.41,45.62 59.41,46.55 59.25,46.71 58.7,46.71 58.52,46.53 58.52,45.61 58.38,45.46 57.82,45.46 57.67,45.61 57.67,46.63 57.52,46.78 56.9,46.78 56.75,46.63 56.75,46.07 56.59,45.92 56.21,45.92 56.06,46.07 56.06,46.45 55.73,46.78 54.66,46.78 54.36,46.48 52.44,46.48 v1(52.04,46.08)
LPDDR4_CKE1: length 34.1
  TOP w0.264: U25.J5 71.44,45.97 v1(71.11,45.64) ; U25.P5 v1(71.11,49.54) ; U19.J3 52.04,47.68 v1(52.04,47.68)
  L3-SIGNAL w0.076: v1(71.11,49.54) 71.5,49.15 71.5,49.01 71.01,48.52 71.01,48.11 71.18,47.95 71.27,47.95 v1(71.52,47.69) 71.52,47.1 71.22,46.8 71.22,46.58 71.52,46.29 71.52,46.05 v1(71.11,45.64)
  L10-SIGNAL w0.159: v1(52.04,47.68) 52.44,47.28 59.78,47.28 59.95,47.12 59.95,46.28 60.17,46.05 63.24,46.05 63.4,46.21 63.4,46.48 63.22,46.66 60.81,46.66 60.66,46.81 60.66,47.12 60.81,47.27 63.99,47.27 64.85,48.13 70.67,48.13 71.11,47.69 v1(71.52,47.69)
LPDDR4_CSN0_0: length 28.1
  TOP w0.264: U19.J5 50.44,47.68 v1(50.44,47.68) ; U25.H4 v1(71.91,45.64)
  L10-SIGNAL w0.159: v1(71.91,45.64) 71.51,46.05 69.88,46.05 69.09,46.83 65.46,46.83 63.63,45.01 57.56,45.01 57.1,45.46 56.64,45.46 56.42,45.24 56.42,44.24 56.21,44.04 55.91,44.04 55.71,44.24 55.71,45.48 55.35,45.84 54.13,45.84 53.97,45.68 51.8,45.68 51.64,45.85 51.64,46.25 51.4,46.48 51.4,46.48 51.06,46.48 50.84,46.7 50.84,47.28 v1(50.44,47.68)
LPDDR4_CSN0_1: length 28.1
  TOP w0.264: U25.R4 71.99,49.54 v1(71.91,49.54) ; v1(52.04,48.48) 52.04,48.48 U19.K3
  L10-SIGNAL w0.159: v1(71.91,49.54) 71.51,49.95 71.51,51.01 71.51,51.01 71.51,51.78 71.25,52.04 70.79,52.04 69.8,51.05 68.24,51.05 68.24,51.05 64.29,51.05 63.93,50.7 63.93,49.76 63.58,49.4 63.02,49.4 62.66,49.76 62.66,50.62 62.46,50.82 60.33,50.82 60.15,50.65 60.15,48.82 59.92,48.59 58.17,48.59 57.87,48.88 52.44,48.88 v1(52.04,48.48)
LPDDR4_CSN1_0: length 28.1
  TOP w0.264: U25.H3 v1(72.71,44.99) ; U19.G5 v1(50.44,46.08)
  L10-SIGNAL w0.159: v1(50.44,46.08) 50.84,45.68 50.84,45.04 51,44.88 54.86,44.88 55.11,44.64 55.11,43.95 55.68,43.38 56.47,43.38 57.63,44.55 69.68,44.55 69.93,44.8 70.67,44.8 71.51,43.96 71.51,43.5 71.74,43.28 72.09,43.28 72.32,43.5 72.32,44.59 v1(72.71,44.99)
LPDDR4_CSN1_1: length 28.1
  TOP w0.264: U25.R3 v1(73.51,50.19) ; U19.J2 v1(52.84,47.68)
  L10-SIGNAL w0.159: v1(73.51,50.19) 73.1,50.61 73.1,50.67 73.11,50.68 73.11,51.15 72.95,51.31 72.47,51.31 72.32,51.15 72.32,48.74 72.31,48.73 72.31,48.73 72.08,48.5 72.07,48.5 72.05,48.47 71.21,48.47 70.06,49.62 70.06,50.38 69.85,50.59 65.08,50.59 64.44,49.96 64.44,49.18 63.34,48.08 53.24,48.08 v1(52.84,47.68)
LPDDR4_DM0_DBI0#: length 31.6
  TOP w0.264: U25.C3 73.51,42.39 v1(73.51,42.39) ; U19.A3 52.04,41.28 v1(52.04,41.28)
  L5-SIGNAL w0.159: v1(73.51,42.39) 73.26,42.14 72.88,42.14 72.88,42.14 72.55,42.14 72.32,41.91 72.32,40.94 72.31,40.93 72.31,40.93 72.02,40.64 69.62,40.64 68.96,39.98 68.78,39.98 68.78,39.98 68.02,39.98 68.02,39.98 67.57,39.52 65.17,39.52 64.81,39.16 63.04,39.16 62.89,39.31 62.89,39.8 63.05,39.95 64.67,39.95 64.82,40.1 64.82,40.38 64.65,40.56 59.62,40.56 59.29,40.89 59.29,41.5 59.11,41.68 58.8,41.68 58.65,41.53 58.65,41.15 58.5,40.99 57.99,40.99 57.28,41.7 54.66,41.7 53.78,40.82 52.45,40.82 52.04,41.23 v1(52.04,41.28)
LPDDR4_DM1_DBI1#: length 25.5
  TOP w0.264: U19.E4 v1(51.24,44.48) ; U25.C10 v1(67.91,41.74)
  L3-SIGNAL w0.159: v1(51.24,44.48) 50.84,44.08 50.84,41.88 51.04,41.68 54.1,41.68 54.25,41.53 54.25,41.43 54.4,41.27 54.63,41.27 54.78,41.43 54.78,41.53 54.93,41.69 55.16,41.69 55.32,41.53 55.32,41.43 55.47,41.27 55.7,41.27 55.85,41.43 55.85,41.53 56,41.69 56.23,41.69 56.38,41.53 56.38,41.43 56.53,41.27 56.76,41.27 56.92,41.43 56.92,41.53 57.07,41.69 57.35,41.69 57.56,41.48 57.56,41.12 57.71,40.97 57.96,40.97 58.11,41.12 58.11,41.5 58.26,41.65 58.49,41.65 58.65,41.5 58.65,40.6 58.8,40.45 59.79,40.45 60.21,40.03 66.52,40.03 67.52,41.02 67.52,41.34 v1(67.91,41.74)
LPDDR4_DM2_DBI2#: length 31.5
  TOP w0.264: v1(53.64,50.88) 53.64,50.88 U19.N1 ; v1(73.51,52.8) 73.51,52.79 U25.Y3
  L5-SIGNAL w0.159: v1(53.64,50.88) 53.69,50.88 53.74,50.94 54.11,50.94 54.53,50.52 55.39,50.52 55.57,50.34 56.1,50.34 56.26,50.5 56.26,51.43 57.13,52.29 57.13,52.91 57.28,53.06 60.53,53.06 60.68,53.21 60.68,53.44 60.53,53.59 58.6,53.59 58.44,53.75 58.44,53.97 58.6,54.13 61.01,54.13 61.22,53.92 61.22,53.24 61.44,53.01 63.22,53.01 63.39,52.84 63.39,51.51 63.54,51.36 64.77,51.36 66.06,52.65 69.82,52.65 70.14,52.96 72.95,52.96 73.12,52.8 v1(73.51,52.8)
LPDDR4_DM3_DBI3#: length 21.9
  TOP w0.264: v1(67.11,53.45) 67.11,53.44 U25.Y10 ; v1(50.44,52.48) 50.44,52.48 U19.R5
  L3-SIGNAL w0.159: v1(50.44,52.48) 50.84,52.88 51.42,52.88 51.64,53.11 51.64,53.45 52.67,54.48 53.87,54.48 55.58,56.18 55.59,56.18 55.61,56.21 57.75,56.21 57.9,56.06 57.9,55.67 58.25,55.33 59.67,55.33 60.52,56.17 64.35,56.17 65.66,54.86 66.11,54.86 66.75,54.22 66.75,53.64 66.95,53.45 v1(67.11,53.45)
LPDDR4_DQ0: length 31.6
  TOP w0.264: U19.A5 v1(50.44,41.28) ; U25.B2 73.94,41.42 74.26,41.09 v1(74.31,41.09)
  L5-SIGNAL w0.159: v1(74.31,41.09) 74.31,40.49 73.04,39.22 71.17,39.22 70.56,38.61 68.71,38.61 68.42,38.31 68.42,37.98 68.19,37.75 58.41,37.75 58.14,38.02 55.98,38.02 55.82,38.18 55.82,38.52 55.64,38.7 55.37,38.7 55.19,38.52 55.19,38.18 55.03,38.02 54.46,38.02 54.26,38.22 54.26,39.22 54.1,39.37 53.7,39.37 53.55,39.22 53.55,38.66 53.39,38.5 53.12,38.5 52.96,38.66 52.96,39.16 52.78,39.35 51.8,39.35 50.44,40.71 v1(50.44,41.28)
LPDDR4_DQ1: length 31.6
  TOP w0.264: U25.C2 v1(74.31,41.74) ; U19.A6 v1(49.64,41.28)
  L5-SIGNAL w0.159: v1(49.64,41.28) 49.92,41 49.92,40.63 51.6,38.95 52.18,38.95 52.49,38.64 52.49,37.88 52.8,37.57 57.99,37.57 58.32,37.23 70.83,37.23 72.36,38.76 73.38,38.76 74.8,40.18 74.8,41.25 v1(74.31,41.74)
LPDDR4_DQ2: length 31.5
  TOP w0.264: U19.B5 50.44,42.08 v1(50.44,42.08) ; v1(74.31,43.04) 73.91,43.37 U25.E2
  L5-SIGNAL w0.159: v1(50.44,42.08) 50.84,41.68 50.84,41.03 51.97,39.9 54.85,39.9 55.01,40.06 55.01,40.45 55.17,40.61 55.47,40.61 55.65,40.43 55.65,40.06 55.8,39.9 57.53,39.9 57.79,39.65 57.79,38.96 58.6,38.15 65.09,38.15 65.55,38.61 67.95,38.61 68.21,38.87 68.4,39.06 69.34,39.06 70.03,39.75 72.93,39.75 73.92,40.74 73.92,42.64 v1(74.31,43.04)
LPDDR4_DQ3: length 31.6
  TOP w0.264: U19.C2 52.84,42.88 v1(52.84,42.88) ; U25.F2 73.91,44.02 v1(74.31,44.34)
  L5-SIGNAL w0.159: v1(74.31,44.34) 74.54,44.34 74.7,44.18 74.7,43.62 74.56,43.48 74.3,43.48 73.73,44.05 73.73,44.37 73.61,44.48 73.26,44.48 73.16,44.38 73.16,44.02 72.88,43.74 72.66,43.74 71.92,43 71.18,43 70.47,43.71 70.1,43.71 69.65,44.17 63.3,44.17 62.75,44.71 61.3,44.71 61.01,45.01 61.01,45.53 60.86,45.68 60.63,45.68 60.48,45.53 60.48,45.07 60.32,44.92 59.93,44.92 59.78,45.07 59.78,45.61 59.63,45.77 59.4,45.77 59.24,45.61 59.24,45.07 59.09,44.92 58.86,44.92 58.71,45.07 58.71,45.74 58.56,45.89 58.33,45.89 58.18,45.74 58.18,45.07 58.03,44.92 55.11,44.92 54.87,44.68 54.87,44.12 54.03,43.28 53.24,43.28 v1(52.84,42.88)
LPDDR4_DQ4: length 31.5
  TOP w0.264: v1(72.71,44.34) 72.71,44.34 U25.F4 ; U19.B4 v1(51.24,42.08)
  L5-SIGNAL w0.159: v1(72.71,44.34) 72.31,44.74 72.31,46.83 71.94,47.2 71.25,47.2 70.94,46.89 65.41,46.89 64.91,46.39 64.91,45.36 64.76,45.21 64.3,45.21 64.14,45.37 64.14,46.68 63.96,46.86 57.63,46.86 57.07,46.3 54.73,46.3 54.11,45.68 51.87,45.68 51.64,45.45 51.64,42.48 v1(51.24,42.08)
LPDDR4_DQ5: length 31.6
  TOP w0.264: U19.C3 v1(52.04,42.88) ; U25.E4 v1(71.92,43.69)
  L5-SIGNAL w0.159: v1(52.04,42.88) 52.44,43.28 52.44,44.65 52.67,44.88 54.07,44.88 55.03,45.84 55.5,45.84 55.66,45.69 55.66,45.57 55.82,45.41 56.13,45.41 56.29,45.57 56.29,45.69 56.45,45.84 57.46,45.84 58.02,46.4 62,46.4 62.21,46.2 62.21,45.36 62.22,45.34 62.36,45.2 62.73,45.2 62.88,45.35 62.88,46.25 63.1,46.46 63.48,46.46 63.68,46.27 63.68,44.76 63.84,44.6 65.77,44.6 65.93,44.76 65.93,44.99 66.09,45.15 66.41,45.15 66.57,44.99 66.57,44.68 66.72,44.52 68.8,44.52 69.1,44.83 69.1,45.78 69.44,46.12 71.27,46.12 71.51,45.87 71.51,43.96 71.78,43.69 v1(71.91,43.69)
